# Altium PCB PCB_SDR.PcbDoc (part 1 of 6) (continued)
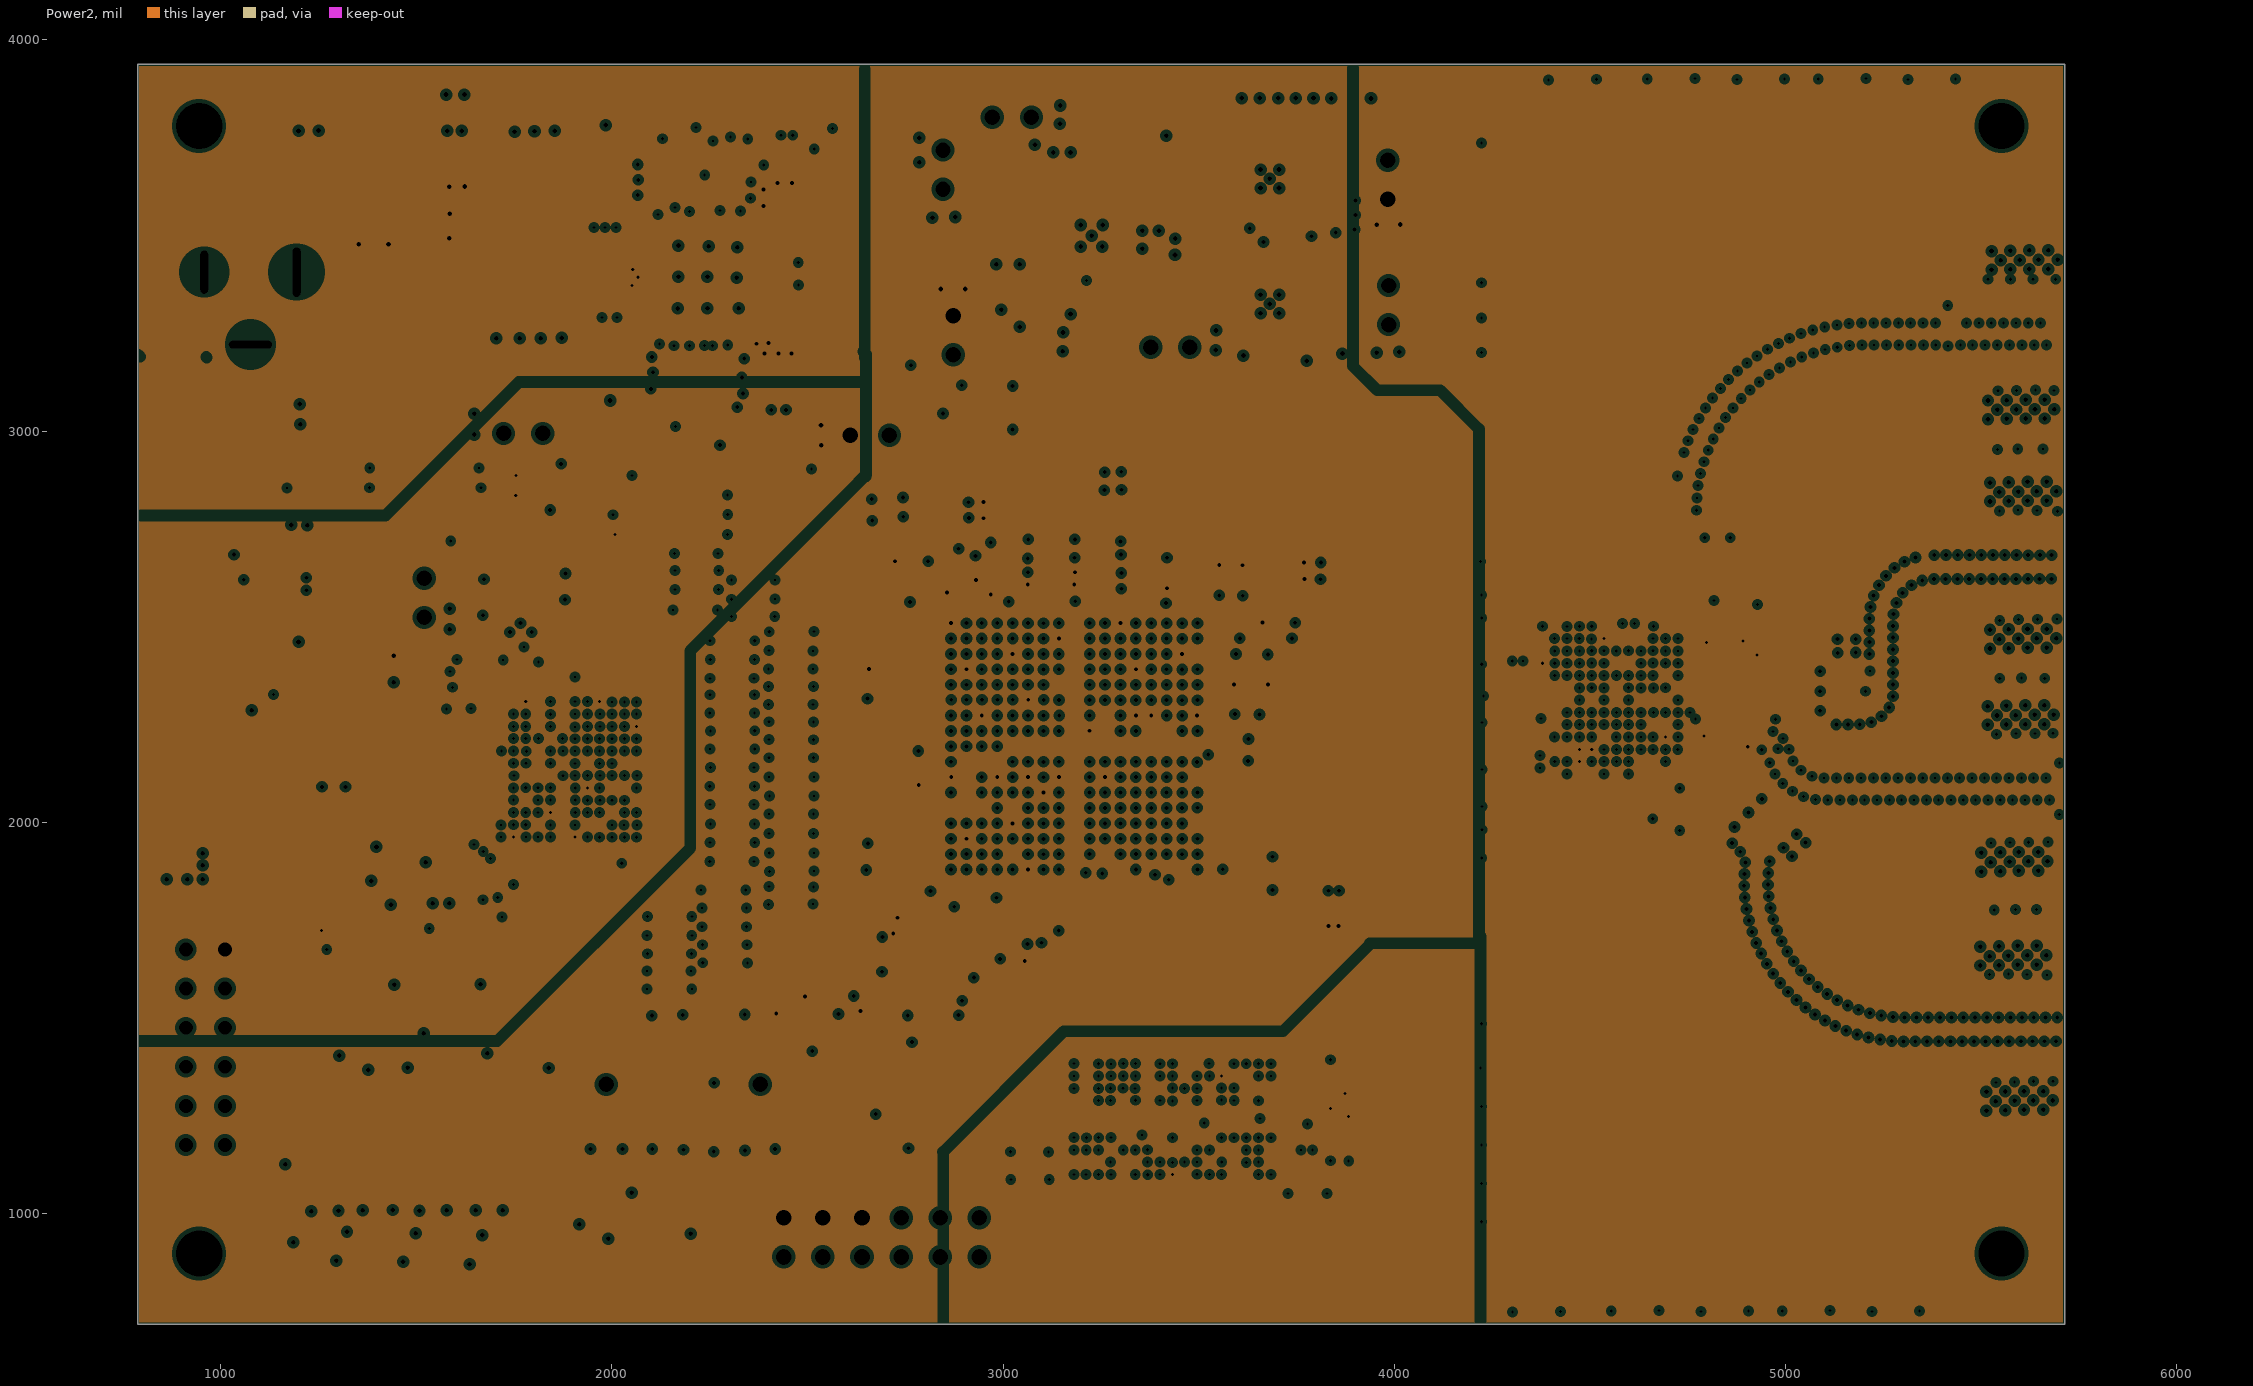
[diagram p5: Power2, clearances drawn from the general rule]
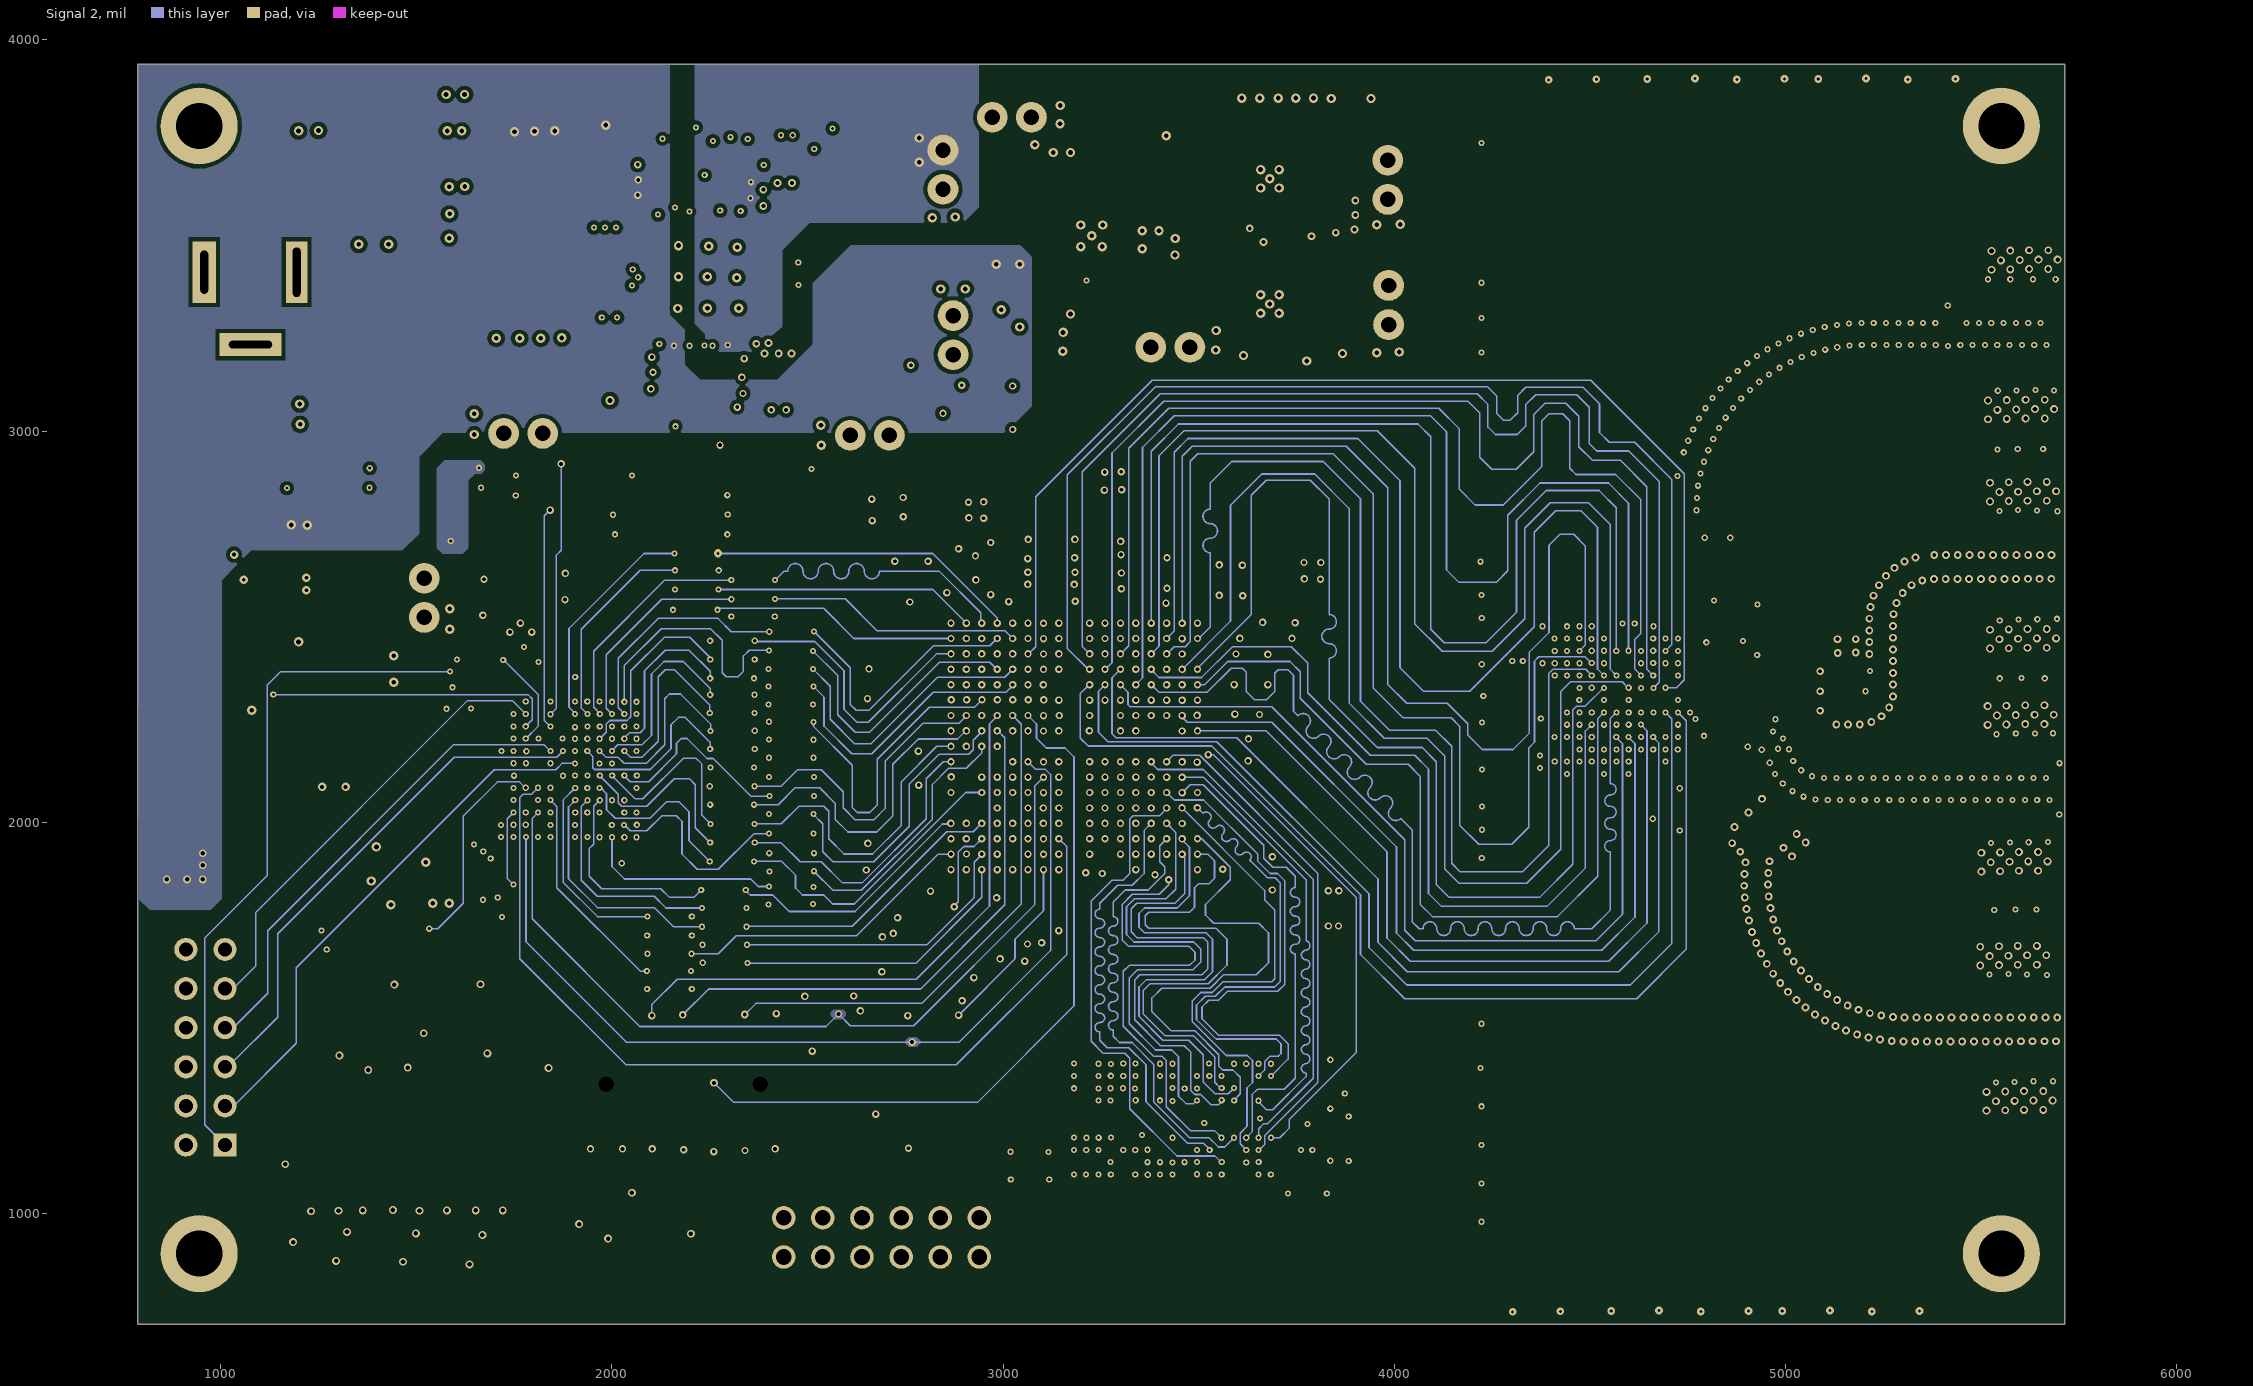
[diagram p6: Signal 2]
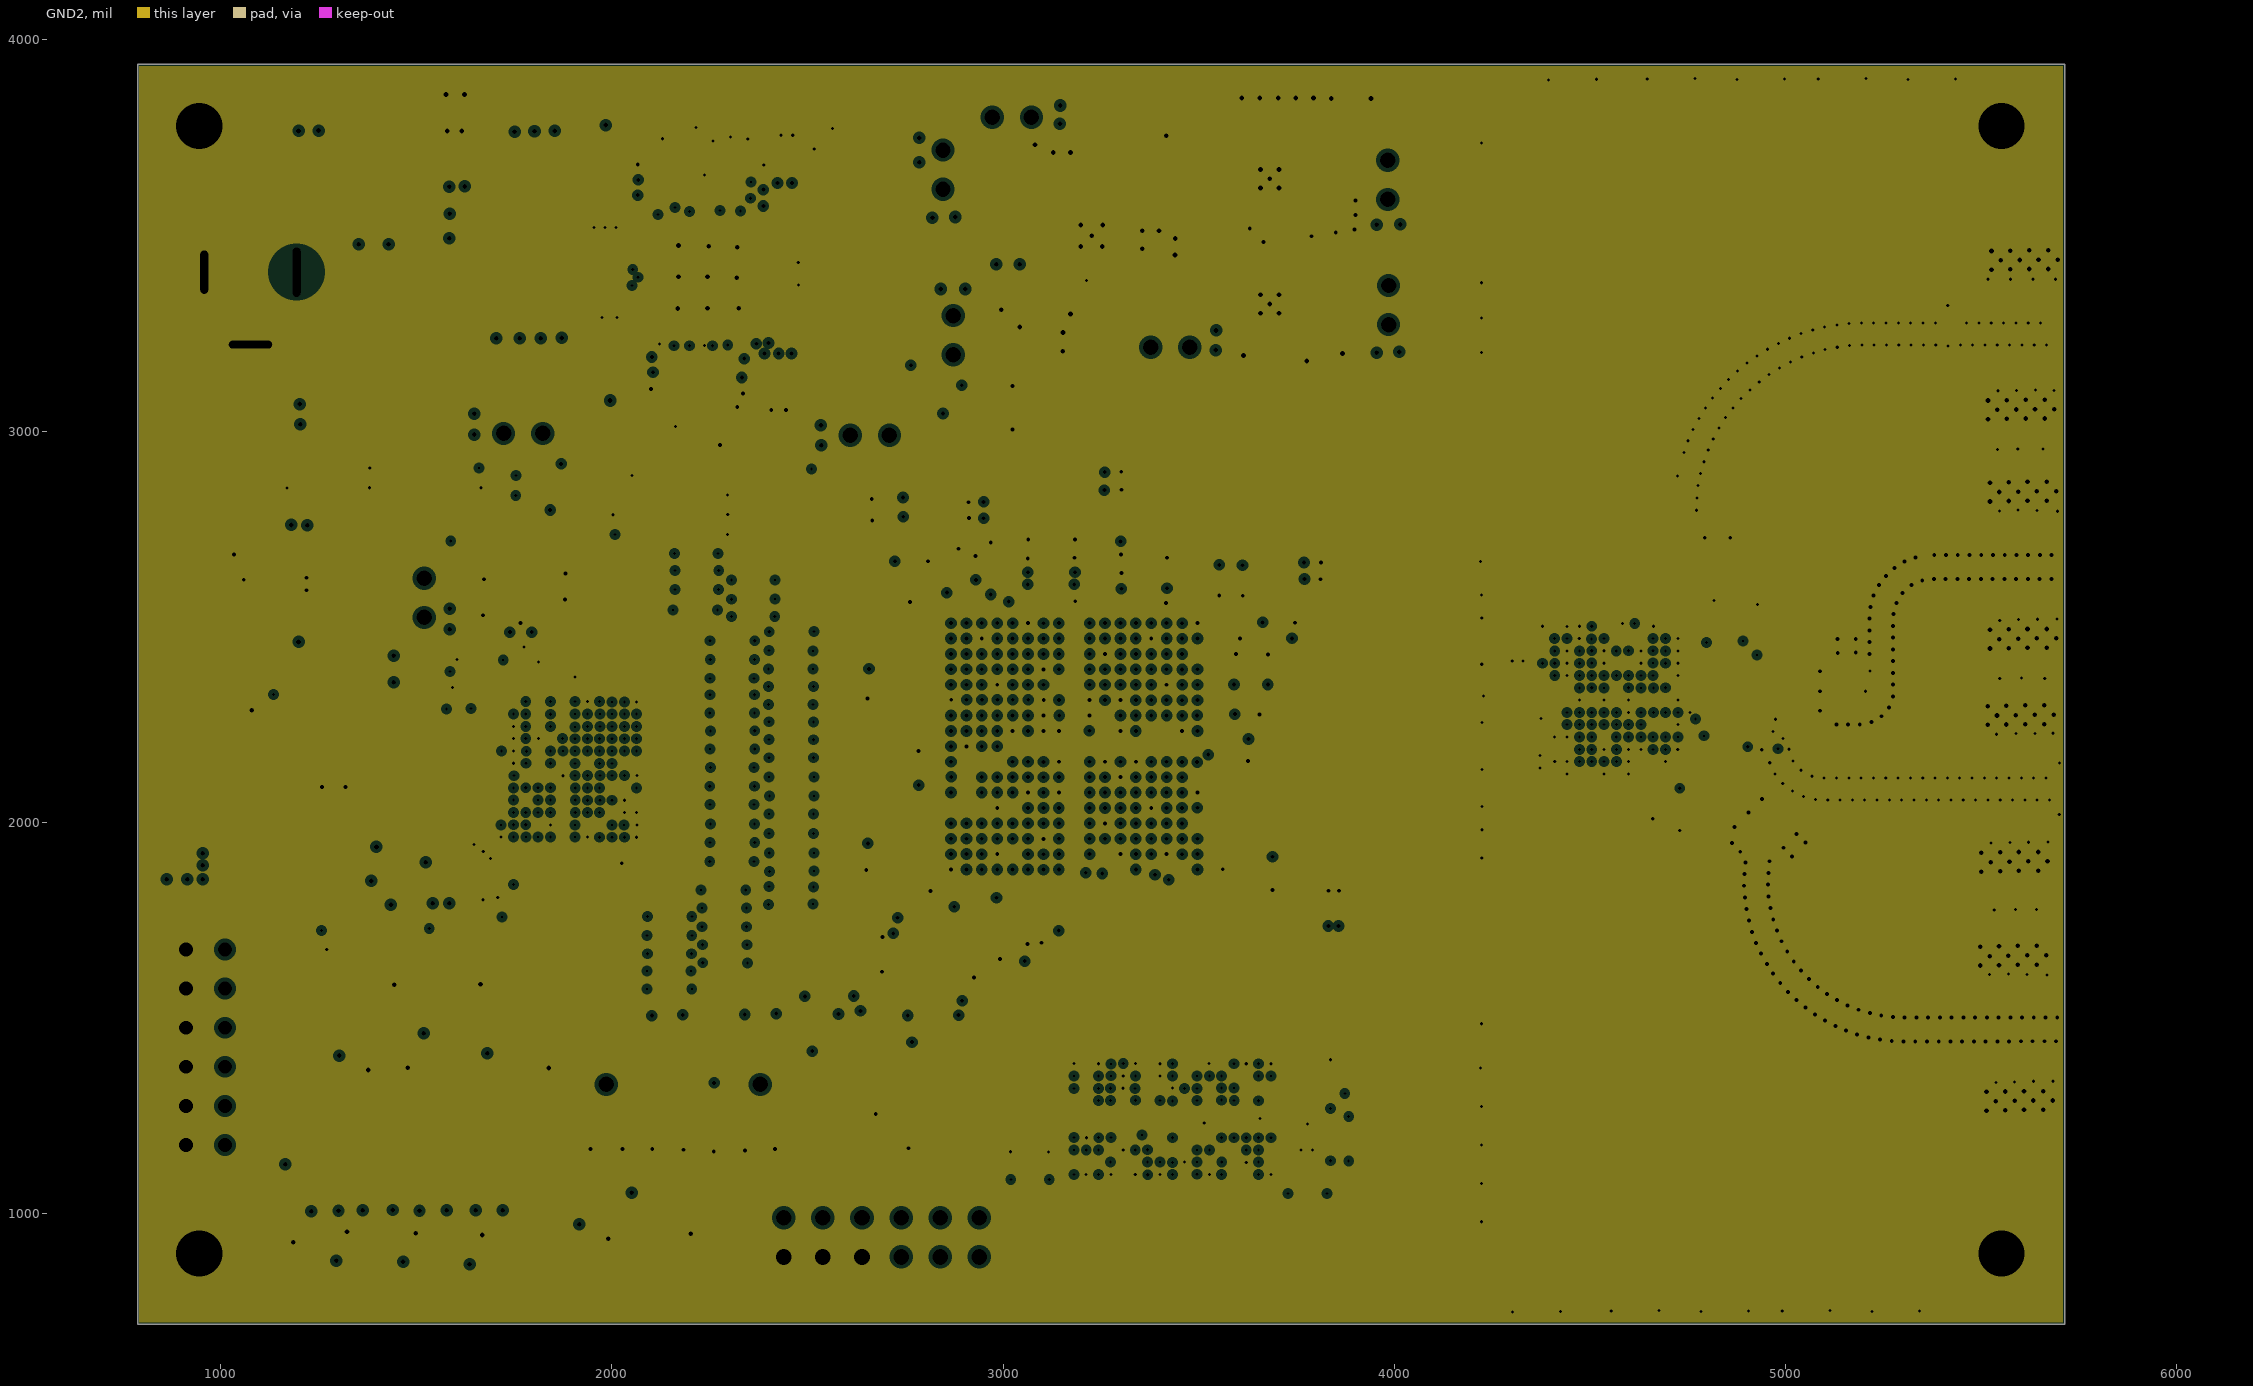
[diagram p7: GND2, clearances drawn from the general rule]
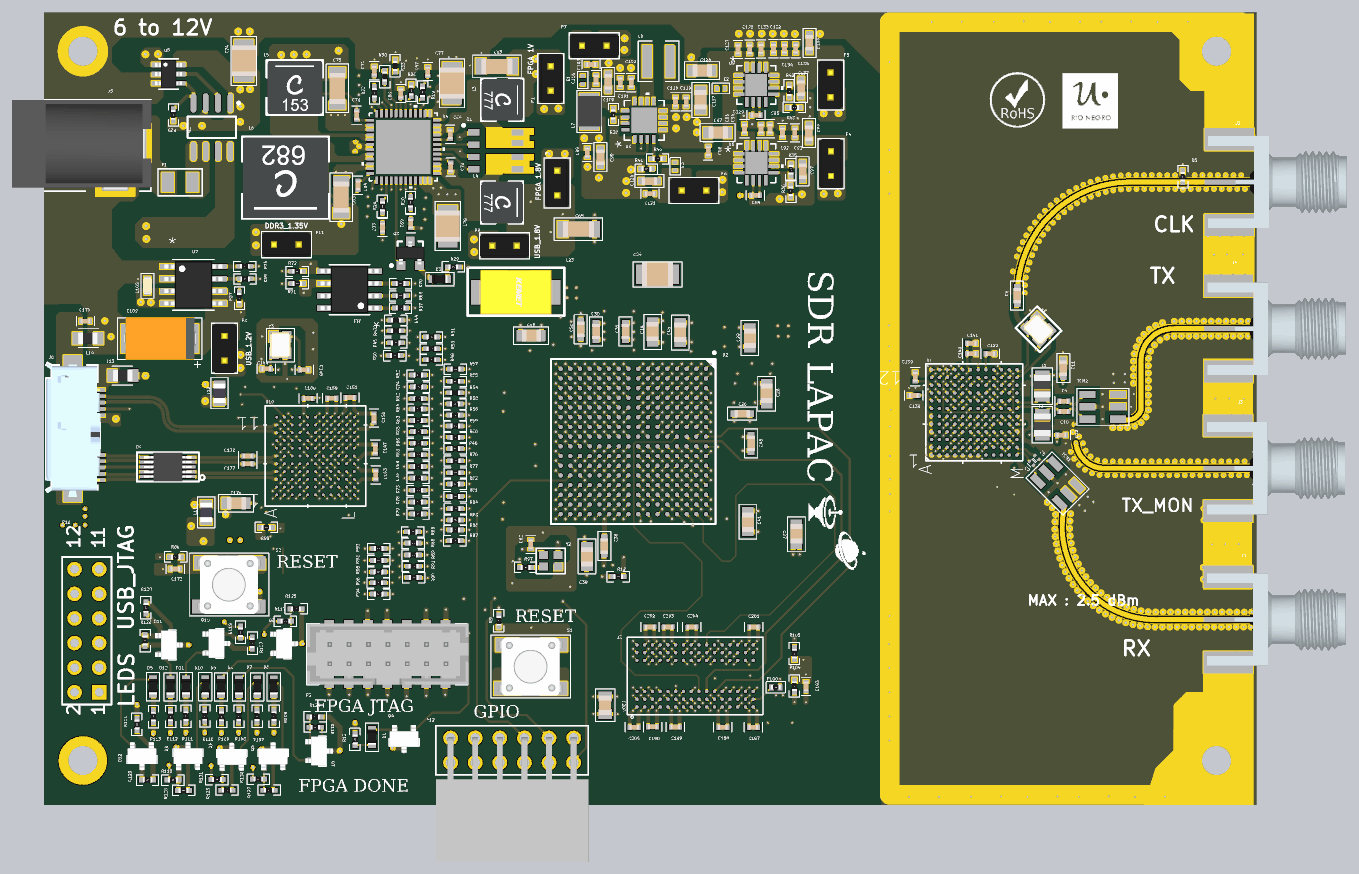
[diagram p13: 3D render of the assembled board from above, using the file's embedded part models]
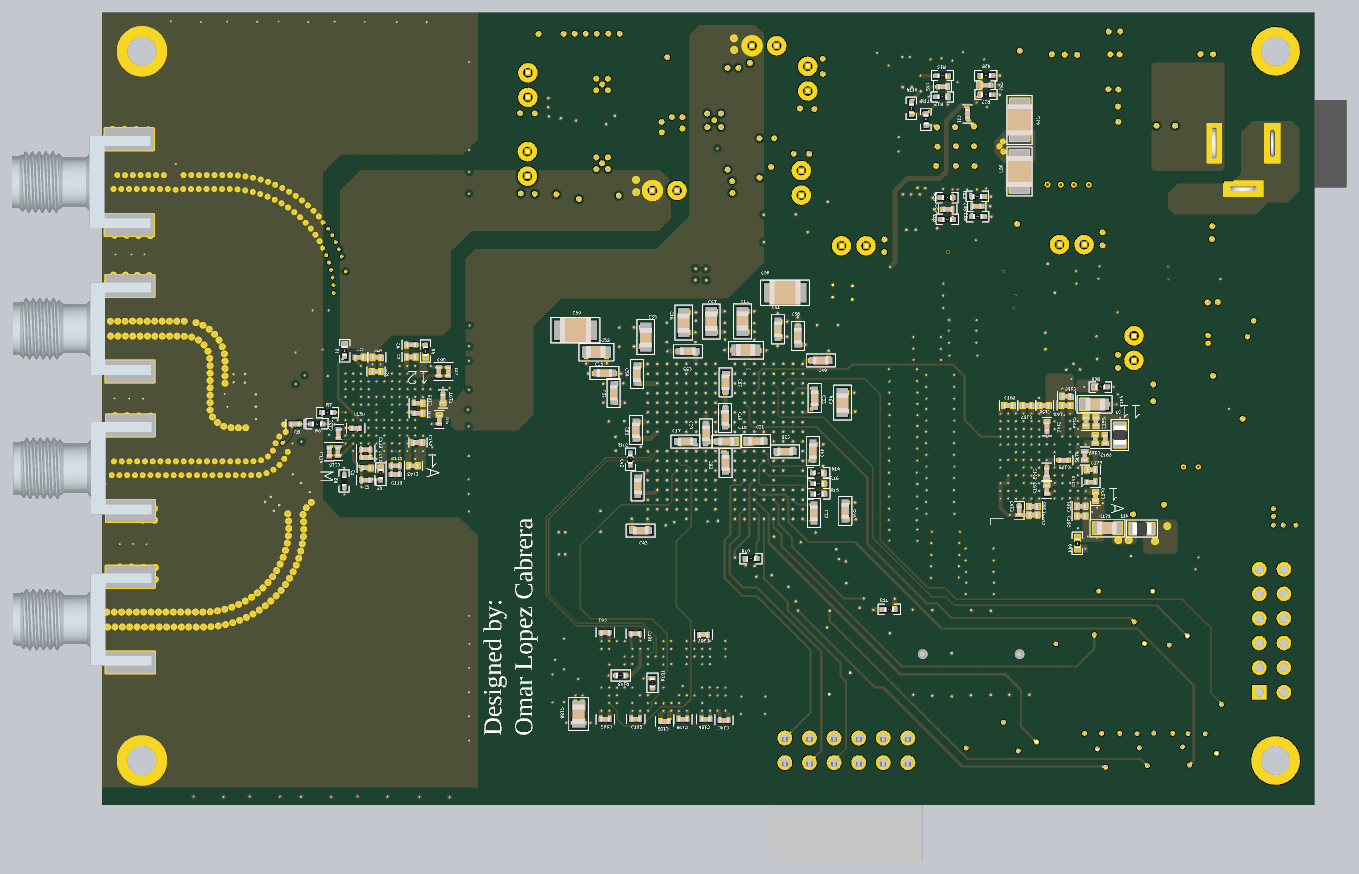
[diagram p14: 3D render of the assembled board from below, using the file's embedded part models]

## Layer stack, top to bottom
Top Solder: solder mask 0.4, Solder Resist, Dk 3.5
Top Layer: signal copper 1.4
Dielectric 1: prepreg 14, Dk 4.6
GND1: plane copper 1.378, net GND
Dielectric 2: core 6.693, Dk 4.6
Signal 1: signal copper 1.378
Dielectric 3: prepreg 6.693, Dk 4.6
Power1: plane copper 1.378, net (Multiple Nets)
Dielectric 5: prepreg 5, Dk 4.6
Power2: plane copper 1.378, net (Multiple Nets)
Dielectric 4: core 6.693, Dk 4.6
Signal 2: signal copper 1.378
Dielectric 6: core 6.693, Dk 4.6
GND2: plane copper 1.378, net GND
Dielectric 7: prepreg 6, Dk 4.6
Bottom Layer: signal copper 1.4
Bottom Solder: solder mask 0.4, Solder Resist, Dk 3.5

## Board outline
787.4,717 787.4,3937.01 5713,3937.01 5713,717

## Design rules (kind name [scope] priority, off if disabled: settings)
Clearance RF_Nets_Clearance [InNet('XTAL_N') or InNet('XTAL_P') or InNet('C_RXA_N') or InNet('C_RXA_P') or InNet('C_TXA_N') or InNet('C_TXA_P') or InNet('RXA_N')or InNet('RXA_P') or InNet('TXA_N') or InNet('TXA_P') vs InNet('GND')] p1: gap=20 except(4: Arc-Track Arc-SMDPad Arc-THPad Arc-Via Track-Track Track-SMDPad Track-THPad Track-Via SMDPad-SMDPad SMDPad-THPad SMDPad-Via THPad-THPad THPad-Via Via-Via)
Clearance DDR3_Interspace_DATA [InNetClass('DDR3_DQ[0..15]')] p2: gap=8 except(4: Arc-SMDPad Arc-THPad Arc-Via Track-SMDPad Track-THPad Track-Via SMDPad-SMDPad SMDPad-THPad SMDPad-Via THPad-THPad THPad-Via Via-Via)
Clearance GND_RF_Polygons [InNamedPolygon('GND_TOP_RF') or InNamedPolygon('GND_BOTTOM_RF') vs InNet('RX_SMA') or InNet('TX_SMA') or InNet('TXMON_SMA') or InNet('CLK_SMA')] p3: gap=6
Clearance DDR3_Interspace_CLK [InNetClass('DDR3_Diff100')] p4: gap=8
Clearance DDR3_interSpace_ADDR [InNetClass('DDR3_A[0..13]') vs InNetClass('DDR3_A[0..13]')] p5: gap=6 except(4: Arc-SMDPad Arc-THPad Arc-Via Track-SMDPad Track-THPad Track-Via SMDPad-SMDPad SMDPad-THPad SMDPad-Via THPad-THPad THPad-Via Via-Via)
Clearance [All  And ( Not  InNamedPolygon('GND_TOP_RF'))] p6: gap=4 except(10: Arc-Poly Track-Poly SMDPad-Poly THPad-Poly Via-Poly Fill-Poly Poly-Poly)
ComponentClearance [All] p1: gap=0 collisioncheckmode=3 verticalgap=100000 showdistances=FALSE
DiffPairsRouting RF_Diff100 [(InNetClass('RF_Diff100') AND (OnLayer('Top Layer') OR OnLayer('Bottom Layer')))] p1: maxlimit=6 minlimit=5 mostfreqgap=6 toplayer_maxgap=5 toplayer_prefgap=5 toplayer_minwidth=10.5 toplayer_maxwidth=10.5 toplayer_prefwidth=10.5 midlayer2_mingap=6 midlayer2_minwidth=6 midlayer2_maxwidth=6 midlayer2_prefwidth=6 midlayer4_mingap=6 midlayer4_minwidth=6 midlayer4_maxwidth=6 midlayer4_prefwidth=6 bottomlayer_maxgap=5 bottomlayer_prefgap=5 bottomlayer_minwidth=5.7 bottomlayer_maxwidth=5.7 bottomlayer_prefwidth=5.7 maxuncoupledlength=500
DiffPairsRouting DDR3_Diff80 [InNetClass('DDR3_Diff80')] p2: maxlimit=16 minlimit=4 mostfreqgap=4 toplayer_minwidth=4 toplayer_maxwidth=16 toplayer_prefwidth=4 midlayer2_maxgap=4 midlayer2_minwidth=4.4 midlayer2_maxwidth=4.4 midlayer2_prefwidth=4.4 midlayer4_maxgap=4 midlayer4_minwidth=4.4 midlayer4_maxwidth=4.4 midlayer4_prefwidth=4.4 bottomlayer_maxgap=4 bottomlayer_minwidth=8 bottomlayer_maxwidth=8 bottomlayer_prefwidth=8 maxuncoupledlength=500
DiffPairsRouting DDR3_Diff100 [InNetClass('DDR3_Diff100')] p3: maxlimit=16 minlimit=4 mostfreqgap=5 toplayer_prefgap=4 toplayer_minwidth=4 toplayer_maxwidth=16 toplayer_prefwidth=4 midlayer2_maxgap=4 midlayer2_prefgap=4 midlayer2_minwidth=4.4 midlayer2_maxwidth=4.4 midlayer2_prefwidth=4.4 midlayer4_maxgap=4 midlayer4_prefgap=4 midlayer4_minwidth=4.4 midlayer4_maxwidth=4.4 midlayer4_prefwidth=4.4 bottomlayer_mingap=5 bottomlayer_maxgap=5 bottomlayer_minwidth=5.7 bottomlayer_maxwidth=5.7 bottomlayer_prefwidth=5.7 maxuncoupledlength=500
DiffPairsRouting DiffUSB_90ohms [InNetClass('DIFF_90')] p4: maxlimit=7 minlimit=5 mostfreqgap=7 toplayer_maxgap=5 toplayer_prefgap=5 toplayer_minwidth=13 toplayer_maxwidth=13 toplayer_prefwidth=13 midlayer2_mingap=7 midlayer2_minwidth=6 midlayer2_maxwidth=6 midlayer2_prefwidth=6 midlayer4_mingap=7 midlayer4_minwidth=6 midlayer4_maxwidth=6 midlayer4_prefwidth=6 bottomlayer_mingap=7 bottomlayer_minwidth=6 bottomlayer_maxwidth=6 bottomlayer_prefwidth=6 maxuncoupledlength=500
FanoutControl Fanout_BGA [All] p1: bgadir=Out bgaviamode=Centered fanoutstyle=BGA fanoutdirection=Alternating viagrid=1 // Fanout_BGA (Default Rule)
FanoutControl Fanout_LCC [All] p2: bgadir=Out bgaviamode=Centered fanoutstyle=BGA fanoutdirection=Alternating viagrid=1 // Fanout_LCC (Default Rule)
FanoutControl Fanout_SOIC [All] p3: bgadir=Out bgaviamode=Centered fanoutstyle=BGA fanoutdirection=Alternating viagrid=1 // Fanout_SOIC (Default Rule)
FanoutControl Fanout_Small [All] p4: bgadir=Out bgaviamode=Centered fanoutstyle=BGA fanoutdirection=OutThenIn viagrid=1 // Fanout_Small (Default Rule)
FanoutControl Fanout_Default [All] p5: bgadir=Out bgaviamode=Centered fanoutstyle=BGA fanoutdirection=Alternating viagrid=1 // Fanout_Default (Default Rule)
HoleSize PCBPrototype__HoleSize [All] p1: absolutevalues=TRUE maxlimit=244.09 minlimit=7.87 maxpercent=80.000 minpercent=20.000
MatchedLengths MatchLengths_U10_Passives_U2_1 [InxSignalClass('xSignals_U10_Passives_U2_MatchLengthsClass')] p1: tolerance=250 checknetsindiffpair=FALSE checkdiffpairvsdiffpair=TRUE checkxsignals=TRUE checkothers=TRUE
MatchedLengths MatchLengths_xSignals_U10_Passives_1 [InxSignalClass('xSignals_U10_Passives_MatchLengthsClass')] p2: tolerance=250 checknetsindiffpair=FALSE checkdiffpairvsdiffpair=TRUE checkxsignals=TRUE checkothers=TRUE
MatchedLengths MatchLengths_xSignals_U10_U2_1 [InxSignalClass('xSignals_U10_U2_MatchLengthsClass_1')] p3: tolerance=500 checknetsindiffpair=FALSE checkdiffpairvsdiffpair=TRUE checkxsignals=TRUE checkothers=TRUE
MatchedLengths MatchLengths_U10_Passives_U2 [InxSignalClass('xSignals_U10_Passives_U2_MatchLengthsClass')] p4: tolerance=250 checknetsindiffpair=FALSE checkdiffpairvsdiffpair=TRUE checkxsignals=TRUE checkothers=TRUE
MatchedLengths MatchLengths_xSignals_U10_Passives [InxSignalClass('xSignals_U10_Passives_MatchLengthsClass')] p5: tolerance=250 checknetsindiffpair=FALSE checkdiffpairvsdiffpair=TRUE checkxsignals=TRUE checkothers=TRUE
MatchedLengths MatchLengths_xSignals_U10_U2 [InxSignalClass('xSignals_U10_U2_MatchLengthsClass')] p6: tolerance=500 checknetsindiffpair=FALSE checkdiffpairvsdiffpair=TRUE checkxsignals=TRUE checkothers=TRUE
MatchedLengths DDR3_CLK [InDifferentialPair('DDR3_CKL')] p7: tolerance=20 checknetsindiffpair=FALSE checkdiffpairvsdiffpair=TRUE checkxsignals=TRUE checkothers=TRUE
MatchedLengths DDR3_Data_Length [InNetClass('DataGroup')] p8: tolerance=50 checknetsindiffpair=FALSE checkdiffpairvsdiffpair=TRUE checkxsignals=TRUE checkothers=TRUE
MinimumAnnularRing PCBPrototype_MinimumAnnularRing [All] p1: minimumring=3.94
MinimumSolderMaskSliver [All] p1: minsoldermaskwidth=0
PlaneClearance [All] p1: clearance=10
PlaneConnect [All] p1: planeconnectstyle=Direct reliefexpansion=20 reliefentries=4 reliefconductorwidth=10 reliefairgap=10
PolygonConnect [All] p1: connectstyle=Direct reliefconductorwidth=10 reliefentries=4 polygonreliefangle="90 Angle" airgapwidth=10
RoutingVias RoutingVias_1 [All] p1: holewidth=10 width=10 viastyle="Through Hole" minholewidth=7.87 minwidth=7.87 maxholewidth=50 maxwidth=50
RoutingVias RoutingViasBGA_FPGA [WithinRoom('FPGA_Room')] p2: holewidth=10 width=19 viastyle="Through Hole" minholewidth=10 minwidth=19 maxholewidth=10 maxwidth=19
SilkToSilkClearance PCBPrototype_SilktoSilk [All] p1: silktosilkclearance=0
SilkToSolderMaskClearance [IsPad] p1: minsilkscreentomaskgap=4 clearancetoexposedcopper=TRUE
SolderMaskExpansion SolderMaskAD9364 [WithinRoom('AD9364Room')] p1: expansion=3.94
SolderMaskExpansion SolderMaskExpansion_1 [All] p2 off: expansion=4
SolderMaskExpansion SolderMaskFPGA [WithinRoom('FPGA_Room')] p3: expansion=1.18
Width Min_Max_Width [OnLayer('Top Layer')] p1: maxlimit=80 minlimit=4 preferedwidth=10
Width FPGA_Width_50ohms [FPGA_Signals   And  Not (OnBottomLayer  Or OnTopLayer)] p2: maxlimit=19.67 minlimit=4.15 preferedwidth=7.43 toplayer_minwidth=19.67 toplayer_prefwidth=19.67 midlayer2_maxwidth=4.15 midlayer2_prefwidth=4.15 midlayer4_maxwidth=4.15 midlayer4_prefwidth=4.15 bottomlayer_minwidth=7.43 bottomlayer_maxwidth=7.43 impedancedriven=TRUE minimp=50.000000 maximp=50.000000 favimp=50.000000
Width AD9364RF_With_50ohms [InNetClass('AD9364_RF')] p3: maxlimit=19.67 minlimit=4.15 preferedwidth=7.43 toplayer_minwidth=19.67 toplayer_prefwidth=19.67 midlayer2_maxwidth=4.15 midlayer2_prefwidth=4.15 midlayer4_maxwidth=4.15 midlayer4_prefwidth=4.15 bottomlayer_minwidth=7.43 bottomlayer_maxwidth=7.43 impedancedriven=TRUE minimp=50.000000 maximp=50.000000 favimp=50.000000
Width DigitalAd9364_Width_50ohms [InNetClass('AD9364_Digital') and ((OnLayer('Signal 1')) or (OnLayer('Signal 2')))] p4: maxlimit=19.67 minlimit=4.15 preferedwidth=7.43 toplayer_minwidth=19.67 toplayer_prefwidth=19.67 midlayer2_maxwidth=4.15 midlayer2_prefwidth=4.15 midlayer4_maxwidth=4.15 midlayer4_prefwidth=4.15 bottomlayer_minwidth=7.43 bottomlayer_maxwidth=7.43 impedancedriven=TRUE minimp=50.000000 maximp=50.000000 favimp=50.000000
Width Width_LayerSignal_50ohms [OnLayer('Signal 1') OR OnLayer('Signal 2')] p5: maxlimit=19.67 minlimit=4.15 preferedwidth=7.43 toplayer_minwidth=19.67 toplayer_prefwidth=19.67 midlayer2_maxwidth=4.15 midlayer2_prefwidth=4.15 midlayer4_maxwidth=4.15 midlayer4_prefwidth=4.15 bottomlayer_minwidth=7.43 bottomlayer_maxwidth=7.43 impedancedriven=TRUE minimp=50.000000 maximp=50.000000 favimp=50.000000
17 further rules are at their usual default settings.
